# KiCad board HandheldPIC32.kicad_pcb (continued)
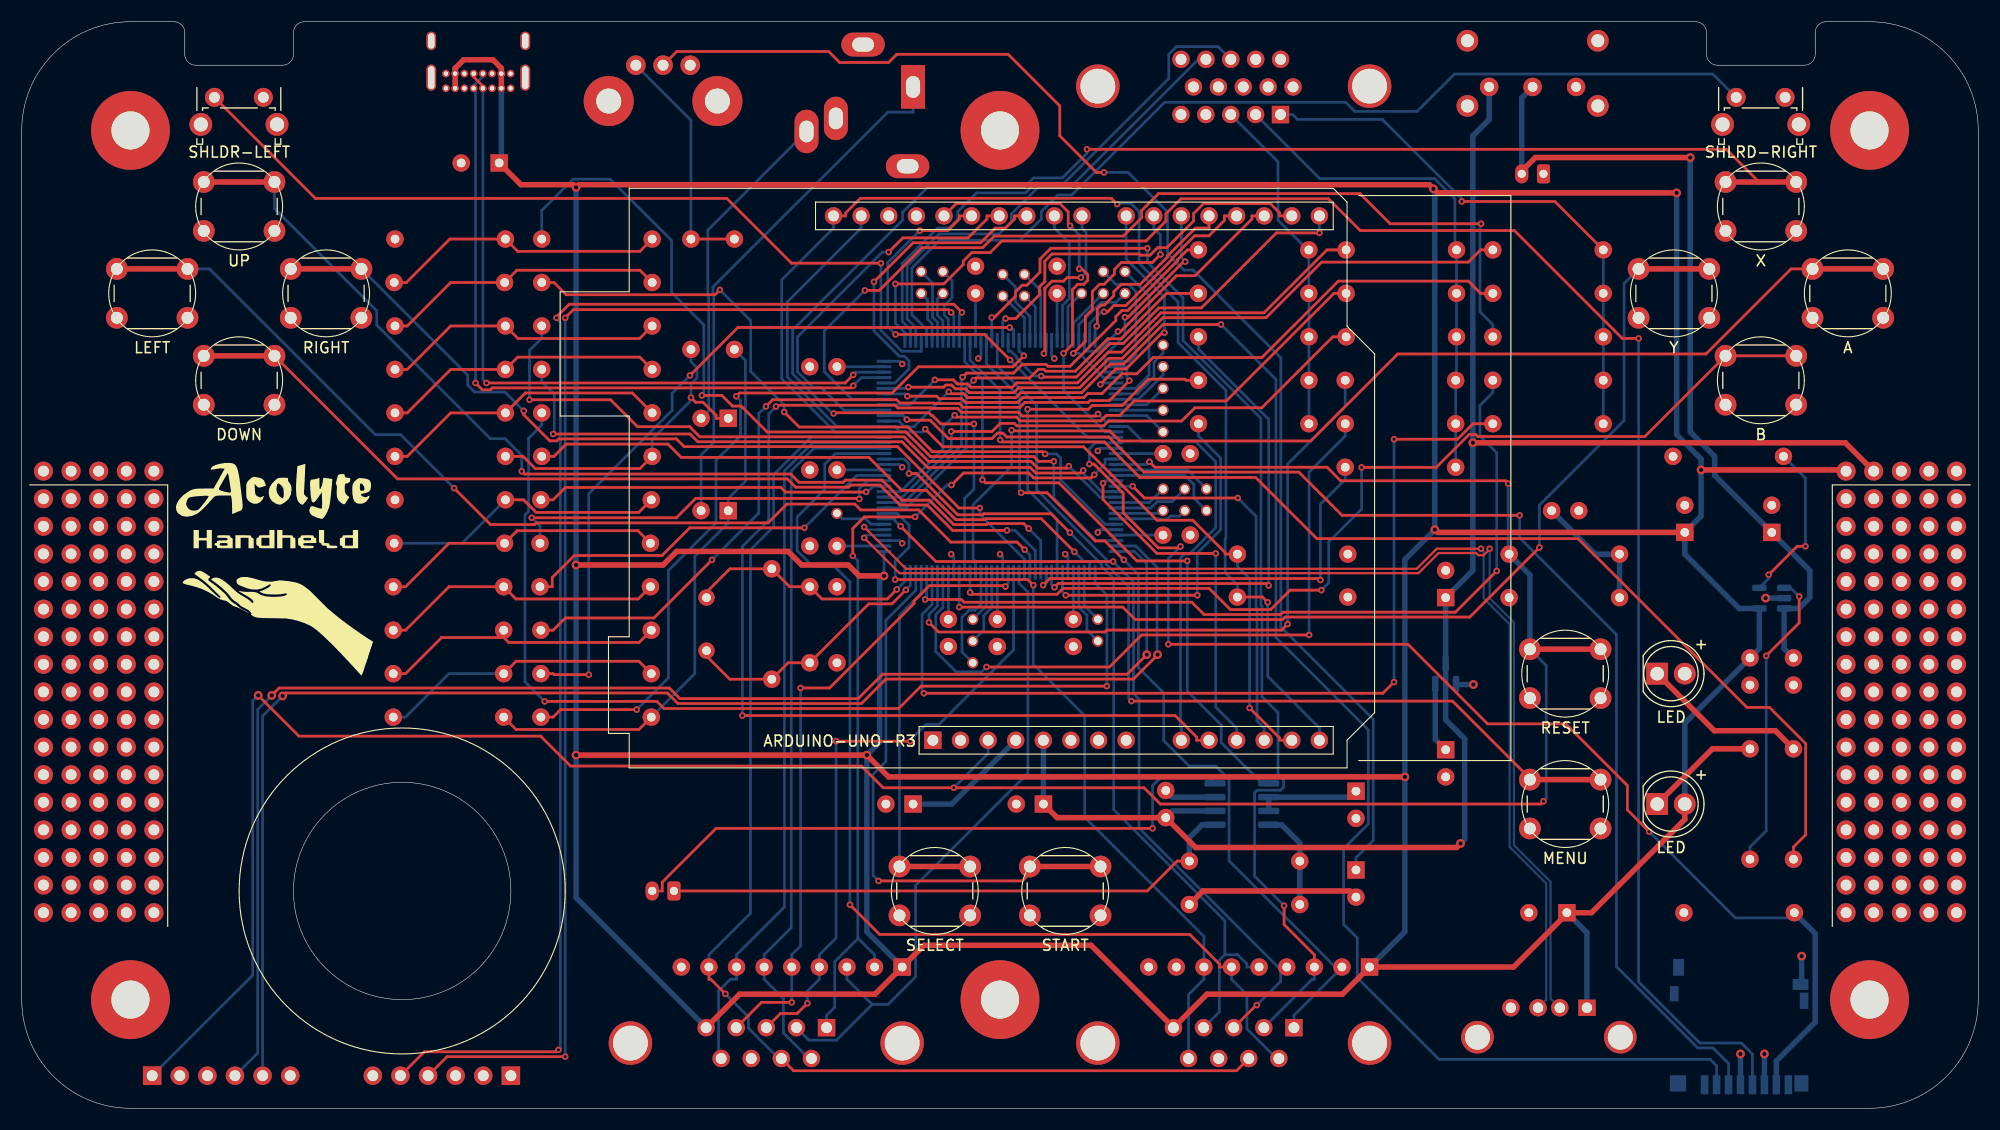
[diagram p0: board, top side]
## Placement (name value [footprint] x y rotation side) (continued)
TP203  TestPoint  [TestPointStdTHT]  2 23.08 0 top
TP204  TestPoint  [TestPointStdTHT]  12.16 20.54 0 top
TP205  TestPoint  [TestPointStdTHT]  9.62 20.54 0 top
TP206  TestPoint  [TestPointStdTHT]  7.08 20.54 0 top
TP207  TestPoint  [TestPointStdTHT]  4.54 20.54 0 top
TP208  TestPoint  [TestPointStdTHT]  2 20.54 0 top
TP209  TestPoint  [TestPointStdTHT]  12.16 18 0 top
TP210  TestPoint  [TestPointStdTHT]  9.62 18 0 top
U1  PIC32MZ2048EFH144-I/PL  [LQFP144_PL_MCH]  90 60 180 bottom
U2  LM4861MX  [SOIC-8_3.9x4.9mm_P1.27mm]  112.25 28 180 bottom
U3  MCP73831-2-OT  [SOT-23-5]  161 46.95 180 bottom
U4  MCP1700x-330xxTT  [SOT-23]  131 40 90 bottom
Y1  Crystal  [Crystal_HC49-4H_Vertical]  63 42.12 90 bottom

## Library data of the parts
A1 = -: Description: Arduino UNO Microcontroller Module, release 3
BT1 = -: Description: Single-cell battery
C1 C18 C19 C23 = -: Description: Polarized capacitor, small US symbol; Field4: 1uF; Field5: A
C2 C3 = -: Description: Unpolarized capacitor; Field4: 22-30pF
C4-C6 C20 C33 = -: Description: Unpolarized capacitor, small symbol; Field4: 0.1uF
C7-C15 = -: Description: Unpolarized capacitor, small symbol
C16 C17 = -: Description: Polarized capacitor, small US symbol; Field4: 120uF; Field5: A
C21 C27 = -: Description: Polarized capacitor, small US symbol; Field4: 10uF; Field5: A
C22 C24 = -: Description: Polarized capacitor, small US symbol; Field4: 47uF; Field5: A
C25 C26 = -: Description: Polarized capacitor, small US symbol; Field4: 4.7uF; Field5: A
D1 D3 = -: Description: Light emitting diode
J1 = -: Description: 15-pin female receptacle socket D-SUB connector, High density (3 columns), Triple Row, Generic, VGA-connector; Field4: VGA DE15
J2 = -: Description: Generic connector, single row, 01x06, script generated (kicad-library-utils/schlib/autogen/connector/); Field4: ICSP for PIC; Field5: (use 'picocom')
J3 = -: Description: Generic connector, single row, 01x06, script generated (kicad-library-utils/schlib/autogen/connector/); Field4: FT232RL; Field5: (use 'picocom')
J4 = -: Description: Audio Jack, 3 Poles (Stereo / TRS); Field4: 3.5mm Jack
J6 = -: Description: USB Type A connector; Field4: USB-A
J8 = -: Description: 9-pin male plug pin D-SUB connector; Field4: Joystick A - DE9
J9 = -: Description: 9-pin male plug pin D-SUB connector; Field4: Joystick B - DE9
J10 = -: Description: USB Full-Featured Type-C Receptacle connector; Field4: PCB Edge
J11 = -: Description: Micro SD Card Socket; Field4: KEEPOUT; Field5: KEEPOUT
R1-R8 R10-R18 = -: Description: Resistor, US symbol; Field4: 1K
R9 = -: Description: Resistor, US symbol; Field4: 1M ohms
R19 R24 R27 R29 R34 R40 R42 R44 R46 R48 R53 = -: Description: Resistor, US symbol; Field4: 10K
R20 = -: Description: Resistor, US symbol; Field4: 2K
R21 R22 = -: Description: Resistor, US symbol; Field4: 10k
R23 R26 R28 R30-R33 R37 R39 R41 R43 R45 R47 R49 = -: Description: Resistor, US symbol; Field4: 20K
R25 = -: Description: Resistor, US symbol; Field4: >100 ohms
R35 R38 = -: Description: Resistor, US symbol; Field4: ~1K
R36 = -: Description: Resistor, US symbol; Field4: >220 ohms
R50 R51 = -: Description: Resistor, US symbol; Field4: ~10K
R54 = -: Description: Resistor, US symbol; Field4: >=10K
RN1 RN2 = -: Description: 8 resistor network, star topology, bussed resistors, small US symbol; Field4: 10k ohms
RV1 = -: Description: Potentiometer, US symbol; Field4: ~10K
SW1-SW3 SW5-SW12 SW14-SW16 = -: Description: Push button switch, generic, two pins; Field4: Tactile RA; Field5: SPST Push
SW4 = -: Description: Switch, single pole double throw
TP1-TP112 TP117-TP210 = -: Description: test point
U1 = -: Field4: *; Field5: *; Field6: *; Field8: *
U3 = -: Description: Single cell, Li-Ion/Li-Po charge management controller, 4.20V, Tri-State Status Output, in SOT23-5 package
U4 = -: Description: 250mA Low Quiscent Current LDO, 3.3V output, SOT-23
Y1 = -: Description: Two pin crystal; Field4: 24 MHz

## Footprints (pads in the part's own frame, mm; a bottom-side part is the same pattern mirrored in y, then rotated)
Arduino_UNO_R3-modified
  rect 1.6x1.6 hole 1: 1(0,0)
  oval 1.6x1.6 hole 1: 2(2.54,0) 3(5.08,0) 4(7.62,0) 5(10.16,0) 6(12.7,0) 7(15.24,0) 8(17.78,0) 9(22.86,0) 10(25.4,0) 11(27.94,0) 12(30.48,0) 13(33.02,0) 14(35.56,0) 15(35.56,48.26) 16(33.02,48.26) 17(30.48,48.26) 18(27.94,48.26) 19(25.4,48.26) 20(22.86,48.26) 21(20.32,48.26) 22(17.78,48.26) 23(13.72,48.26) 24(11.18,48.26) 25(8.64,48.26) 26(6.1,48.26) 27(3.56,48.26) 28(1.02,48.26) 29(-1.52,48.26) 30(-4.06,48.26) 31(-6.6,48.26) 32(-9.14,48.26)
BIGJack_3.5mm_Ledino_KB3SPRS_Horizontal
  oval 4x2.2 hole 2x1.3: R(4.1,9.8) RN(2.9,7.1)
  oval 2.2x4 hole 1.3x2: S(-3.9,4.6) TN(7.3,0.5)
  rect 4x2.2 hole 2x1.3: T(0,0)
C_Disc_D3.0mm_W1.6mm_P2.50mm
  round 1.6 hole 0.8: 1(0,0) 2(2.5,0)
C_Disc_D3.8mm_W2.6mm_P2.50mm
  round 1.6 hole 0.8: 1(0,0) 2(2.5,0)
CP_Radial_D6.3mm_P2.50mm
  rect 1.6x1.6 hole 0.8: 1(0,0)
  round 1.6 hole 0.8: 2(2.5,0)
CP_Radial_D8.0mm_P3.50mm
  rect 1.6x1.6 hole 0.8: 1(0,0)
  round 1.6 hole 0.8: 2(3.5,0)
Crystal_HC49-4H_Vertical
  round 1.5 hole 0.8: 1(0,0) 2(4.88,0)
CustomLED
  rect 2x2 hole 1.25: 1(0,0)
  round 2 hole 1.25: 2(2.54,0)
DSUB-9_Male_Horizontal_P2.77x2.84mm_EdgePinOffset7.70mm_Housed_MountingHolesOffset9.12mm
  round 4 hole 3.2: 0(-6.96,-1.42) 0(18.04,-1.42)
  rect 1.6x1.6 hole 1: 1(0,0)
  round 1.6 hole 1: 2(2.77,0) 3(5.54,0) 4(8.31,0) 5(11.08,0) 6(1.385,-2.84) 7(4.155,-2.84) 8(6.925,-2.84) 9(9.695,-2.84)
DSUB-15-HD_Female_Horizontal_P2.29x2.54mm_VGA
  round 4 hole 3.2: 0(-16.815,-2.612) 0(8.185,-2.612)
  rect 1.6x1.6 hole 1: 1(-0.009,-0.002)
  round 1.6 hole 1: 2(-2.299,-0.002) 3(-4.589,-0.002) 4(-6.879,-0.002) 5(-9.169,-0.002) 6(1.143,-2.542) 7(-1.145,-2.542) 8(-3.435,-2.542) 9(-5.725,-2.542) 10(-8.015,-2.542) 11(0,-5.08) 12(-2.29,-5.08) 13(-4.58,-5.08) 14(-6.87,-5.08) 15(-9.16,-5.08)
JST_PH_B2B-PH-K_1x02_P2.00mm_Vertical
  rrect 1.2x1.75 hole 0.75: 1(0,0)
  oval 1.2x1.75 hole 0.75: 2(2,0)
LQFP144_PL_MCH
  rect 1.353x0.279 smd: 1(-10.672,8.75) 2(-10.672,8.25) 3(-10.672,7.75) 4(-10.672,7.25) 5(-10.672,6.75) 6(-10.672,6.25) 7(-10.672,5.75) 8(-10.672,5.25) 9(-10.672,4.75) 10(-10.672,4.25) 11(-10.672,3.75) 12(-10.672,3.25) 13(-10.672,2.75) 14(-10.672,2.25) 15(-10.672,1.75) 16(-10.672,1.25) 17(-10.672,0.75) 18(-10.672,0.25) 19(-10.672,-0.25) 20(-10.672,-0.75) 21(-10.672,-1.25) 22(-10.672,-1.75) 23(-10.672,-2.25) 24(-10.672,-2.75) 25(-10.672,-3.25) 26(-10.672,-3.75) 27(-10.672,-4.25) 28(-10.672,-4.75) 29(-10.672,-5.25) 30(-10.672,-5.75) 31(-10.672,-6.25) 32(-10.672,-6.75) 33(-10.672,-7.25) 34(-10.672,-7.75) 35(-10.672,-8.25) 36(-10.672,-8.75) 73(10.672,-8.75) 74(10.672,-8.25) 75(10.672,-7.75) 76(10.672,-7.25) 77(10.672,-6.75) 78(10.672,-6.25) 79(10.672,-5.75) 80(10.672,-5.25) 81(10.672,-4.75) 82(10.672,-4.25) 83(10.672,-3.75) 84(10.672,-3.25) 85(10.672,-2.75) 86(10.672,-2.25) 87(10.672,-1.75) 88(10.672,-1.25) 89(10.672,-0.75) 90(10.672,-0.25) 91(10.672,0.25) 92(10.672,0.75) 93(10.672,1.25) 94(10.672,1.75) 95(10.672,2.25) 96(10.672,2.75) 97(10.672,3.25) 98(10.672,3.75) 99(10.672,4.25) 100(10.672,4.75) 101(10.672,5.25) 102(10.672,5.75) 103(10.672,6.25) 104(10.672,6.75) 105(10.672,7.25) 106(10.672,7.75) 107(10.672,8.25) 108(10.672,8.75)
  rect 0.279x1.353 smd: 37(-8.75,-10.672) 38(-8.25,-10.672) 39(-7.75,-10.672) 40(-7.25,-10.672) 41(-6.75,-10.672) 42(-6.25,-10.672) 43(-5.75,-10.672) 44(-5.25,-10.672) 45(-4.75,-10.672) 46(-4.25,-10.672) 47(-3.75,-10.672) 48(-3.25,-10.672) 49(-2.75,-10.672) 50(-2.25,-10.672) 51(-1.75,-10.672) 52(-1.25,-10.672) 53(-0.75,-10.672) 54(-0.25,-10.672) 55(0.25,-10.672) 56(0.75,-10.672) 57(1.25,-10.672) 58(1.75,-10.672) 59(2.25,-10.672) 60(2.75,-10.672) 61(3.25,-10.672) 62(3.75,-10.672) 63(4.25,-10.672) 64(4.75,-10.672) 65(5.25,-10.672) 66(5.75,-10.672) 67(6.25,-10.672) 68(6.75,-10.672) 69(7.25,-10.672) 70(7.75,-10.672) 71(8.25,-10.672) 72(8.75,-10.672) 109(8.75,10.672) 110(8.25,10.672) 111(7.75,10.672) 112(7.25,10.672) 113(6.75,10.672) 114(6.25,10.672) 115(5.75,10.672) 116(5.25,10.672) 117(4.75,10.672) 118(4.25,10.672) 119(3.75,10.672) 120(3.25,10.672) 121(2.75,10.672) 122(2.25,10.672) 123(1.75,10.672) 124(1.25,10.672) 125(0.75,10.672) 126(0.25,10.672) 127(-0.25,10.672) 128(-0.75,10.672) 129(-1.25,10.672) 130(-1.75,10.672) 131(-2.25,10.672) 132(-2.75,10.672) 133(-3.25,10.672) 134(-3.75,10.672) 135(-4.25,10.672) 136(-4.75,10.672) 137(-5.25,10.672) 138(-5.75,10.672) 139(-6.25,10.672) 140(-6.75,10.672) 141(-7.25,10.672) 142(-7.75,10.672) 143(-8.25,10.672) 144(-8.75,10.672)
microSD_HC_Hirose_DM3D-SF
  rect 0.7x1.75 smd: 1(3.175,-5.35) 2(2.075,-5.35) 3(0.975,-5.35) 4(-0.125,-5.35) 5(-1.225,-5.35) 6(-2.325,-5.35) 7(-3.425,-5.35) 8(-4.525,-5.35)
  rect 1.45x1 smd: 9(-5.65,3.875)
  rect 1x1.55 smd: 10(5.575,5.45)
  rect 0.8x1.5 smd: 11(-5.975,2.375)
  rect 1.3x1.5 smd: 11(-5.725,-5.225)
  rect 1.5x1.5 smd: 11(5.625,-5.225)
  rect 0.8x1.4 smd: 11(5.975,3.025)
PinHeader_1x06_P2.54mm_Horizontal
  rect 1.7x1.7 hole 1: 1(0,0)
  oval 1.7x1.7 hole 1: 2(0,-2.54) 3(0,-5.08) 4(0,-7.62) 5(0,-10.16) 6(0,-12.7)
PinSocket_1x06_P2.54mm_Horizontal
  rect 1.7x1.7 hole 1: 1(0,0)
  oval 1.7x1.7 hole 1: 2(0,-2.54) 3(0,-5.08) 4(0,-7.62) 5(0,-10.16) 6(0,-12.7)
Potentiometer_Bourns_PTV09A-2_Single_Horizontal
  round 4.6 hole 2.3: (-3.3,-2.5) (-3.3,7.5)
  round 1.8 hole 1: 1(0,0) 2(0,2.5) 3(0,5)
R_Array_SIP9
  rect 1.6x1.6 hole 0.8: 1(0,0)
  oval 1.6x1.6 hole 0.8: 2(2.54,0) 3(5.08,0) 4(7.62,0) 5(10.16,0) 6(12.7,0) 7(15.24,0) 8(17.78,0) 9(20.32,0)
R_Axial_DIN0207_L6.3mm_D2.5mm_P10.16mm_Horizontal
  round 1.6 hole 0.8: 1(0,0)
  oval 1.6x1.6 hole 0.8: 2(10.16,0)
ScrewHole-4-40
  round 7.25 hole 3.5: 1(0,0)
SOIC-8_3.9x4.9mm_P1.27mm
  rrect 1.95x0.6 smd: 1(-2.475,1.905) 2(-2.475,0.635) 3(-2.475,-0.635) 4(-2.475,-1.905) 5(2.475,-1.905) 6(2.475,-0.635) 7(2.475,0.635) 8(2.475,1.905)
SOT-23
  rrect 1.475x0.6 smd: 1(-0.938,0.95) 2(-0.938,-0.95) 3(0.938,0)
SOT-23-5
  rrect 1.325x0.6 smd: 1(-1.137,0.95) 2(-1.137,0) 3(-1.137,-0.95) 4(1.137,-0.95) 5(1.137,0.95)
SW_E-Switch_EG1224_SPDT_Angled
  round 2 hole 1.2: (-2,-4.25) (-2,1.75) (10,-4.25) (10,1.75)
  round 1.7 hole 0.9: 1(0,0) 2(4,0) 3(8,0)
SW_PUSH_6mm_H8mm
  round 2 hole 1.1: 1(0,0) 1(6.5,0) 2(0,-4.5) 2(6.5,-4.5)
SW_Tactile_SPST_Angled_PTS645Vx83-2LFS
  round 2.1 hole 1.3: (-1.25,-2.49) (5.76,-2.49)
  round 1.75 hole 0.99: 1(0,0) 2(4.5,0)
TestPoint_custom_THTPad_D1.5mm_Drill0.7mm
  round 1.016 hole 0.7: 1(0,0)
TestPointStdTHT
  round 1.75 hole 1: 1(0,0)
USB_A_Molex_67643_Horizontal
  rect 1.6x1.5 hole 0.95: 1(0,0)
  round 1.6 hole 0.95: 2(2.5,0) 3(4.5,0) 4(7,0)
  round 3 hole 2.3: 5(-3.07,-2.71) 5(10.07,-2.71)
USB_C_Receptacle_GCT_USB4085
  round 0.7 hole 0.4: A1(0,0) A4(0.85,0) A5(1.7,0) A6(2.55,0) A7(3.4,0) A8(4.25,0) A9(5.1,0) A12(5.95,0) B1(5.95,-1.35) B4(5.1,-1.35) B5(4.25,-1.35) B6(3.4,-1.35) B7(2.55,-1.35) B8(1.7,-1.35) B9(0.85,-1.35) B12(0,-1.35)
  oval 0.9x1.7 hole 0.6x1.4: S1(-1.35,-4.36) S1(7.3,-4.36)
  oval 0.9x2.4 hole 0.6x2.1: S1(-1.35,-0.98) S1(7.3,-0.98)

## Nets
+3V3: A1.4 C6.2 C7.2 C8.2 C9.2 C10.2 C11.2 C12.2 C13.2 C14.2 C15.2 C22.1 C23.1 D1.2 J2.2 J11.4 R21.2 R22.2 R35.1 R38.1 TP10.1 TP119.1 U1.18 U1.33 U1.41 U1.55 U1.64 U1.74 U1.88 U1.107 U1.122 U1.137 U4.2
+3V8: A1.5 C1.1 C24.1 C33.1 SW4.1 TP9.1 U2.6 U4.3
+5V: C16.1 C17.1 C20.1 C26.1 D3.2 J6.1 J8.5 J9.5 J10.A4 J10.A9 J10.B4 J10.B9 RN1.1 RN2.1 TP8.1 U1.73 U3.4
GND: A1.6 A1.7 A1.29 BT1.1 C1.2 C2.2 C3.2 C4.2 C5.1 C6.1 C7.1 C8.1 C9.1 C10.1 C11.1 C12.1 C13.1 C14.1 C15.1 C16.2 C17.2 C18.2 C20.2 C22.2 C23.2 C24.2 C25.2 C26.2 C33.2 J1.5 J1.6 J1.7 J1.8 J1.10 J2.3 J3.1 J4.S J6.4 J6.5 J8.8 J9.8 J10.A1 J10.A12 J10.B1 J10.B12 J10.S1 J11.6 J11.9 R20.2 R30.2 R33.2 RV1.3 SW1.2 SW2.2 SW3.2 SW5.2 SW6.2 SW7.2 SW8.2 SW9.2 SW10.2 SW11.2 SW12.2 SW14.2 SW15.2 SW16.2 TP1.1 TP2.1 TP3.1 TP4.1 TP6.1 TP7.1 TP11.1 TP12.1 TP120.1 TP121.1 U1.17 U1.32 U1.42 U1.54 U1.63 U1.75 U1.89 U1.108 U1.123 U1.136 U2.7 U3.2 U4.1
AUDIO-LEFT-A: R37.2 U1.130
AUDIO-LEFT-B: R23.2 U1.129
AUDIO-LEFT-C: R26.2 U1.2
AUDIO-LEFT-D: R28.2 U1.87
AUDIO-LEFT-DAC: C21.1 R34.1 R37.1 R50.1
AUDIO-LEFT-E: R31.2 U1.86
AUDIO-LEFT-F: R32.2 U1.85
AUDIO-LEFT-PHONE: C21.2 J4.T
AUDIO-POT: C19.1 RV1.2
AUDIO-RIGHT-A: R49.2 U1.38
AUDIO-RIGHT-B: R47.2 U1.37
AUDIO-RIGHT-C: R45.2 U1.25
AUDIO-RIGHT-D: R43.2 U1.26
AUDIO-RIGHT-DAC: C27.1 R48.1 R49.1 R51.2
AUDIO-RIGHT-E: R41.2 U1.31
AUDIO-RIGHT-F: R39.2 U1.34
AUDIO-RIGHT-PHONE: C27.2 J4.R
AUDIO-SD: U1.120 U2.1
AUDIO-SPEAKER+: LS1.1 R54.2 U2.5
AUDIO-SPEAKER-: LS1.2 U2.8
BAT: BT1.2 C4.1 C25.1 SW4.2 U3.3
BLUE: J1.3 R1.1 R2.1 R10.1 R11.1 R12.1
BLUE-A: R2.2 U1.82
BLUE-B: R1.2 U1.81
BLUE-C: R12.2 U1.45
BLUE-D: R11.2 U1.44
BLUE-E: R10.2 U1.43
BUTTON-A: SW8.1 U1.59
BUTTON-B: SW9.1 U1.60
BUTTON-DOWN: SW5.1 U1.48
BUTTON-LEFT: SW6.1 U1.49
BUTTON-RIGHT: SW7.1 U1.50
BUTTON-SELECT: SW2.1 U1.69
BUTTON-SHOULDER-LEFT: SW14.1 U1.112
BUTTON-SHOULDER-RIGHT: SW16.1 U1.113
BUTTON-START: SW1.1 U1.70
BUTTON-UP: SW3.1 U1.47
BUTTON-X: SW10.1 U1.61
BUTTON-Y: SW11.1 U1.62
CLKI: C2.1 R9.1 U1.71 Y1.1
CLKO: C3.1 R9.2 U1.72 Y1.2
D+: J6.3 U1.77
D-: J6.2 U1.76
FT232RL-RX: J3.4 U1.118
FT232RL-TX: J3.5 U1.119
GREEN: J1.2 R3.1 R4.1 R5.1 R13.1 R14.1 R15.1
GREEN-A: R5.2 U1.100
GREEN-B: R4.2 U1.84
GREEN-C: R3.2 U1.83
GREEN-D: R15.2 U1.66
GREEN-E: R14.2 U1.65
GREEN-F: R13.2 U1.46
H-SYNC: J1.13 U1.110
I2C-SCL: A1.14 A1.32 R35.2 U1.95
I2C-SDA: A1.13 A1.31 R38.2 U1.96
JOY-A-BUTTON1: J8.6 RN1.6 U1.92
JOY-A-BUTTON2: J8.9 RN1.7 U1.93
JOY-A-DOWN: J8.2 RN1.3 U1.51
JOY-A-LEFT: J8.3 RN1.4 U1.52
JOY-A-RIGHT: J8.4 RN1.5 U1.53
JOY-A-UP: J8.1 RN1.2 U1.19
JOY-B-BUTTON1: J9.6 RN2.6 U1.91
JOY-B-BUTTON2: J9.9 RN2.7 U1.80
JOY-B-DOWN: J9.2 RN2.3 U1.125
JOY-B-LEFT: J9.3 RN2.4 U1.79
JOY-B-RIGHT: J9.4 RN2.5 U1.90
JOY-B-UP: J9.1 RN2.2 U1.124
JOY-SELECT: J8.7 J9.7 RN1.8 U1.94
LCD-CS: A1.12 U1.24
LCD-D0: A1.23 U1.135
LCD-D1: A1.24 U1.138
LCD-D2: A1.17 U1.142
LCD-D3: A1.18 U1.143
LCD-D4: A1.19 U1.144
LCD-D5: A1.20 U1.3
LCD-D6: A1.21 U1.4
LCD-D7: A1.22 U1.5
LCD-RD: A1.9 U1.13
LCD-RS: A1.11 U1.23
LCD-WR: A1.10 U1.12
LED: R25.2 U1.121
MCLR: A1.3 J2.1 R18.2 SW15.1 U1.20
MENU: SW12.1 U1.126
PGEC: J2.5 U1.35
PGED: J2.4 U1.36
PORTA0: TP14.1 U1.22
PORTA1: TP13.1 U1.56
PORTA9: TP15.1 U1.39
PORTA10: TP16.1 U1.40
PORTC1: TP17.1 U1.6
PORTC2: TP88.1 U1.11
PORTF12: TP90.1 U1.58
PORTF13: TP91.1 U1.57
PORTG9: TP108.1 U1.21
PORTG12: TP109.1 U1.140
PORTG13: TP110.1 U1.141
PORTG14: TP111.1 U1.139
PORTG15: TP112.1 U1.1
PORTJ0: TP92.1 U1.114
PORTJ1: TP93.1 U1.115
PORTJ2: TP94.1 U1.116
PORTJ3: TP95.1 U1.117
PORTJ4: TP96.1 U1.131
PORTJ5: TP97.1 U1.132
PORTJ6: TP98.1 U1.133
PORTJ7: TP99.1 U1.134
PORTJ8: TP100.1 U1.7
PORTJ9: TP101.1 U1.8
PORTJ10: TP102.1 U1.10
PORTJ11: TP103.1 U1.27
PORTJ12: TP104.1 U1.9
PORTJ13: TP105.1 U1.28
PORTJ14: TP106.1 U1.29
PORTJ15: TP107.1 U1.30
RED: J1.1 R6.1 R7.1 R8.1 R16.1 R17.1
RED-A: R8.2 U1.103
RED-B: R7.2 U1.102
RED-C: R6.2 U1.101
RED-D: R17.2 U1.68
RED-E: R16.2 U1.67
SPI-CLK: A1.28 U1.14
SPI-MISO: A1.27 U1.15
SPI-MOSI: A1.26 U1.99
SPI-SS: A1.25 U1.104
STAT: R36.2 U3.1
TF-CLK: J11.5 U1.109
TF-CS: J11.2 U1.97
TF-MISO: J11.7 R22.1 U1.16
TF-MOSI: J11.3 U1.98
UART-RX: A1.15 U1.128
UART-TX: A1.16 U1.127
USB-RX: J10.A7 J10.B7 U1.106
USB-TX: J10.A6 J10.B6 U1.105
USBID: TP89.1 U1.78
V-SYNC: J1.14 U1.111
Net-(C5-Pad2): C5.2 R18.1 R21.1
Net-(C19-Pad2): C19.2 R53.1
Net-(D1-K): D1.1 R25.1
Net-(D3-K): D3.1 R36.1
Net-(R19-Pad1): R19.1 R24.2 R31.1
Net-(R19-Pad2): R19.2 R32.1 R33.1
Net-(R23-Pad1): R23.1 R29.1 R34.2
Net-(R24-Pad1): R24.1 R27.2 R28.1
Net-(R26-Pad1): R26.1 R27.1 R29.2
Net-(R30-Pad1): R30.1 R39.1 R40.2
Net-(R40-Pad1): R40.1 R41.1 R42.2
Net-(R42-Pad1): R42.1 R43.1 R44.2
Net-(R44-Pad1): R44.1 R45.1 R46.2
Net-(R46-Pad1): R46.1 R47.1 R48.2
Net-(R50-Pad2): R50.2 R51.1 RV1.1
Net-(U2-+IN): C18.1 U2.2 U2.3
Net-(U2--IN): R53.2 R54.1 U2.4
Net-(U3-PROG): R20.1 U3.5

Pads without a net: A1 1 2 8 30; J1 0 4 9 11 12 15; J2 6; J3 2 3 6; J4 RN TN; J8 0; J9 0; J10 A5 A8 B5 B8; J11 1 8 10 11; RN1 9; RN2 8 9; SW4 3; TP5 1; TP18 1; TP19 1; TP20 1; TP21 1; TP22 1; TP23 1; TP24 1; TP25 1; TP26 1; TP27 1; TP28 1; TP29 1; TP30 1; TP31 1; TP32 1; TP33 1; TP34 1; TP35 1; TP36 1; TP37 1; TP38 1; TP39 1; TP40 1; TP41 1; TP42 1; TP43 1; TP44 1; TP45 1; TP46 1; TP47 1; TP48 1; TP49 1; TP50 1; TP51 1; TP52 1; TP53 1; TP54 1; TP55 1; TP56 1; TP57 1; TP58 1; TP59 1; TP60 1; TP61 1; TP62 1; TP63 1; TP64 1; TP65 1; TP66 1; TP67 1; TP68 1; TP69 1; TP70 1; TP71 1; TP72 1; TP73 1; TP74 1; TP75 1; TP76 1; TP77 1; TP78 1; TP79 1; TP80 1; TP81 1; TP82 1; TP83 1; TP84 1; TP85 1; TP86 1; TP87 1; TP117 1; TP118 1; TP122 1; TP123 1; TP124 1; TP125 1; TP126 1; TP127 1; TP128 1; TP129 1; TP130 1; TP131 1; TP132 1; TP133 1; TP134 1; TP135 1; TP136 1; TP137 1; TP138 1; TP139 1; TP140 1; TP141 1; TP142 1; TP143 1; TP144 1; TP145 1; TP146 1; TP147 1; TP148 1; TP149 1; TP150 1; TP151 1; TP152 1; TP153 1; TP154 1; TP155 1; TP156 1; TP157 1; TP158 1; TP159 1; TP160 1; TP161 1; TP162 1; TP163 1; TP164 1; TP165 1; TP166 1; TP167 1; TP168 1; TP169 1; TP170 1; TP171 1; TP172 1; TP173 1; TP174 1; TP175 1; TP176 1; TP177 1; TP178 1; TP179 1; TP180 1; TP181 1; TP182 1; TP183 1; TP184 1; TP185 1; TP186 1; TP187 1; TP188 1; TP189 1; TP190 1; TP191 1; TP192 1; TP193 1; TP194 1; TP195 1; TP196 1; TP197 1; TP198 1; TP199 1; TP200 1; TP201 1; TP202 1; TP203 1; TP204 1; TP205 1; TP206 1; TP207 1; TP208 1; TP209 1; TP210 1

## Via types
v1: diameter 0.6, hole 0.3, Top to Bottom, 177 vias
v2: diameter 0.8, hole 0.4, Top to Bottom, 23 vias

## Routing (per net, layer and track width the routed paths; a pad name or vN(x,y) marks a point on that pad's centre or on a via; arc(x,y) is an arc through that point)
+3V3: length 64.5
  Bottom w0.25: U1.122 C7.2 ; U1.137 C6.2 ; U1.74 C10.2 ; U1.64 C11.2 ; U1.33 C14.2 ; U1.41 C13.2 ; U1.55 C12.2 ; U1.18 C15.2 ; U1.88 C9.2 ; U1.107 C8.2
  Bottom w0.5: v2(158.12,5) J11.4 ; U4.2 130.05,33.95 C23.1 ; C22.1 85.57,28 A1.4
+3V8: length 161
  Top w0.5: C24.1 95.25,26.75 C33.1 108,24 132,24 v2(132.38,24.38) ; TP9.1 167.77,61.25 v2(133.5,61.25)
  Bottom w0.5: C24.1 94,33.86 A1.5 ; SW4.1 135,91 133.5,89.5 v2(133.5,61.25) 133.5,49.5 C1.1 U4.3 131,35.75 132.75,34 132.75,24.75 v2(132.38,24.38) ; C33.1 105.87,27.36 U2.6
+5V: length 646.9
  Top w0.5: C26.1 130.25,53 v2(130,53.25) ; v2(79.33,49) 77.04,49 76.04,50 71.75,50 70.5,51.25 60.25,51.25 59,50 v2(51,50) ; C16.1 45.93,85 50.75,85 v2(51,84.75) 51.25,85 129.5,85 v2(129.88,84.62) 130.25,84.25 v2(152.25,84.25) ; v2(51,32.5) v2(77.75,32.5) 79.75,30.5 v2(127.25,30.5) ; J8.5 66.04,10.5 78.5,10.5 RN1.1 83,15 98.38,15 J9.5 109.04,10.5 121.5,10.5 RN2.1 137.25,13 142.15,17.9 C17.1 144.41,18 153,26.59 D3.2 ; J10.A9 J10.B4 44.12,95.72 43.34,96.5 40.66,96.5 39.88,95.72 J10.B9 J10.A4 ; v2(154.5,58.75) 167.73,58.75 TP8.1
  Bottom w0.25: 159.86,44.16 U3.4 ; v2(79.33,49) U1.73
  Bottom w0.5: J10.A9 44.12,87.2 C16.1 ; RN1.1 77.75,16.25 v2(77.75,32.5) 78.93,33.67 78.93,48.6 v2(79.33,49) ; RN2.1 127.25,16.25 v2(127.25,30.5) 127.25,50.5 v2(130,53.25) 130,84.5 v2(129.88,84.62) ; D3.2 153,35.45 C20.1 159.86,42.31 U3.4 158,46 153,51 C26.1 154.5,54.5 v2(154.5,58.75) 154.5,59.75 152.25,62 v2(152.25,84.25) ; J8.5 51,19.38 v2(51,32.5) v2(51,50) v2(51,84.75) ; C17.1 144,16.15 J6.1
GND: length 31.4
  Bottom w0.25: U1.75 80.75,52.25 v1(81,52) ; v1(85.5,51) 85.75,50.75 U1.63 ; U1.136 94.75,69.25 v1(95,69) ; v1(88,69) 88.25,69.25 U1.123 ; U1.108 80.75,68.75 v1(81,68.5) ; U1.32 99.25,53.25 v1(99,53) ; 132.01,39 U4.1 ; v1(96,51) 96.25,50.75 U1.42 ; v1(99,60.5) 99.25,60.75 U1.17 ; U1.54 90.25,50.75 v1(90,51) ; v1(81,59) 80.75,59.25 U1.89
  Bottom w0.5: C33.2 105.87,28.64 U2.7 ; v2(160.32,5) J11.6 ; v2(160.44,46.95) U3.2 ; v2(133.55,39) 133.54,39 132,39 ; J11.9 163.75,11.49 v2(163.75,14)
AUDIO-LEFT-A: length 71.7
  Top w0.25: v1(56.57,36.69) 49.57,36.69 48.89,36 R37.2 ; v1(65.74,65.53) 66.04,65.83 80.08,65.83 82.49,68.24 91.19,68.24 v1(92.2,69.26)
  Bottom w0.25: v1(65.74,65.53) 66.13,65.15 66.13,61.89 63.87,59.64 63.87,53.87 59.5,49.5 59.5,39.61 v1(56.57,36.69) ; v1(92.2,69.26) 91.8,69.67 91.75,69.67 U1.130
AUDIO-LEFT-B: length 68.5
  Top w0.25: v1(61.48,67.45) 65.88,71.86 v1(90.88,71.86) ; v1(52.16,39.91) 48.98,39.91 48.89,40 R23.2
  Bottom w0.25: v1(90.88,71.86) 91.07,71.67 91.25,71.67 U1.129 ; v1(52.16,39.91) 52.16,56.56 59.84,64.24 59.84,65.81 v1(61.48,67.45)
AUDIO-LEFT-C: length 72
  Top w0.25: v1(63.5,50.47) 58.16,45.13 50.01,45.13 48.89,44 R26.2 ; v1(101.91,66.97) 100.07,65.13 98.3,65.13 98.13,64.96 92.28,64.96 91.83,64.51 86.62,64.51 86.27,64.86 83.95,64.86 83.9,64.91 80.79,64.91 80.49,65.21 69.08,65.21 v1(68.47,64.6)
  Bottom w0.25: v1(101.91,66.97) 101.67,67.2 101.67,68.25 U1.2 ; v1(68.47,64.6) 67.81,63.94 67.81,54.77 v1(63.5,50.47)
AUDIO-LEFT-D: length 36.4
  Top w0.25: v1(72,53.42) 61.46,53.42 58.91,50.87 50.84,50.87 48.81,48.84 48.81,48 R28.2
  Bottom w0.25: v1(72,53.42) 76.83,58.25 U1.87
AUDIO-LEFT-DAC: length 52.4
  Top w0.25: R34.1 45.48,34.86 56.78,34.86 R37.1
  Bottom w0.25: R50.1 66.58,68.83 66.58,57.7 65,56.13 C21.1 65,53.87 61.92,50.8 61.92,40 R37.1
AUDIO-LEFT-E: length 37.1
  Top w0.25: v1(46.92,54.35) 60.22,54.35 62,56.13 77.01,56.13 v1(77.05,56.08)
  Bottom w0.25: U1.86 77.78,57.75 77.05,57.02 v1(77.05,56.08) ; v1(46.92,54.35) 47.68,53.59 R31.2
AUDIO-LEFT-F: length 32.4
  Top w0.25: v1(77.68,56.73) 77.66,56.71 70.26,56.71 69.84,57.14 50.02,57.14 48.89,56 R32.2
  Bottom w0.25: v1(77.68,56.73) 77.8,56.73 78.33,57.25 U1.85
AUDIO-LEFT-PHONE: length 48.5
  Bottom w0.25: C21.2 62.5,60.13 63.67,61.29 63.67,74.86 63.59,74.94 63.59,75.59 79.67,91.67 82,91.67 J4.T
AUDIO-POT: length 124.8
  Top w0.25: RV1.2 60.26,97.26 74.24,97.26 75.25,96.25 79.75,96.25 80.5,97 90.75,97 95.5,92.25 95.5,89.5 98.86,86.14 v1(99.57,86.14)
  Bottom w0.25: v1(99.57,86.14) 101.78,86.14 105.41,82.5 105.41,78.65 106.92,77.15 107.76,77.15 115.84,69.07 115.84,44.3 124.34,35.8 124.34,24.64 122.75,23.06 C19.1
AUDIO-RIGHT-A: length 56.4
  Top w0.25: v1(96.84,51.21) 93.79,54.26 88.69,54.26 88.59,54.17 85.93,54.17 83.23,56.87 80.97,56.87 77.93,59.91 60.67,59.91 59.45,61.13 50.09,61.13 48.97,60 R49.2
  Bottom w0.25: U1.38 98.25,50.33 97.72,50.33 v1(96.84,51.21)
AUDIO-RIGHT-B: length 91.7
  Top w0.25: v1(99.83,38.85) 82.73,38.85 80.68,36.79 59.09,36.79 58.43,37.45 v1(48.11,37.45)
  Bottom w0.25: v1(99.83,38.85) 99.83,47.24 98.75,48.33 U1.37 ; v1(48.11,37.45) 46.3,39.26 46.3,54.6 46.63,54.93 46.63,61.66 47.84,62.87 R47.2
AUDIO-RIGHT-C: length 60.8
  Top w0.25: v1(97.65,58.7) 97.42,58.46 93.29,58.46 92.79,58.97 83.35,58.97 80.97,61.34 62.2,61.34 61.49,62.06 v1(48.9,62.06)
  Bottom w0.25: R45.2 47.84,66.87 49,65.72 49,62.16 v1(48.9,62.06) ; v1(97.65,58.7) 97.65,58.43 99.33,56.75 U1.25
AUDIO-RIGHT-D: length 65.1
  Top w0.25: v1(96.33,59.1) 96.14,58.91 93.48,58.91 92.86,59.53 83.42,59.53 81.16,61.79 62.38,61.79 61.45,62.73 56.65,62.73 54.17,65.21 v1(46.71,65.21)
  Bottom w0.25: v1(46.71,65.21) 46.71,69.75 47.84,70.87 R43.2 ; v1(96.33,59.1) 99.18,56.25 U1.26
AUDIO-RIGHT-DAC: length 30.6
  Top w0.25: R48.1 46.12,60 47.25,58.87 56.87,58.87 R49.1 ; v1(61.57,65.41) 61.99,64.98 62.68,64.98 63.87,63.78 63.87,63.5 C27.1
  Bottom w0.25: R49.1 58,61.58 61.57,65.15 v1(61.57,65.41) 61.57,66.66 62.12,67.21 62.12,68.16 61.57,68.71 R51.2
AUDIO-RIGHT-E: length 66.7
  Top w0.25: v1(70.14,64.08) 71.52,62.7 81.53,62.7 83.8,60.43 93.94,60.43 v1(94.15,60.22) ; R41.2 48.97,76 50.09,74.87 63.78,74.87 v1(64.23,75.32)
  Bottom w0.25: U1.31 99.67,53.75 95.57,57.85 95.57,59.83 95.19,60.22 v1(94.15,60.22) ; v1(70.14,64.08) 70.14,64.74 67.06,67.82 67.06,72.49 v1(64.23,75.32)
AUDIO-RIGHT-F: length 79.3
  Top w0.25: v1(62.57,65.61) 64.41,65.61 65.39,64.63 66.2,64.63 68.58,62.24 81.34,62.24 83.61,59.98 93.1,59.98 93.54,59.54 v1(94.95,59.54)
  Bottom w0.25: R39.2 47.84,82.64 50.7,85.5 54.15,85.5 59.78,79.87 59.78,75.07 62.75,72.1 62.75,65.79 v1(62.57,65.61) ; U1.34 98.85,52.25 94.95,56.16 v1(94.95,59.54)
AUDIO-RIGHT-PHONE: length 30.5
  Bottom w0.25: C27.2 63.2,64.2 63.2,74.66 63.12,74.74 63.12,80.82 J4.R
AUDIO-SD: length 59.4
  Top w0.25: v1(88.38,57.83) 88.65,57.56 95.41,57.56 102.6,50.38 v1(107.23,50.38)
  Bottom w0.25: v1(88.38,57.83) 88.38,67.09 86.75,68.72 U1.120 ; U2.1 114.1,29.91 110.35,33.66 110.35,35.28 107.23,38.4 v1(107.23,50.38)
AUDIO-SPEAKER+: length 53.6
  Top w0.25: R54.2 106.29,22.75 103.54,20 LS1.1
  Bottom w0.5: R54.2 107.42,24.92 108.59,26.09 U2.5
AUDIO-SPEAKER-: length 59.1
  Top w0.25: v1(104.04,25.76) 63.88,25.76 58.93,20.81 58.93,20 LS1.2
  Bottom w0.25: U2.8 109.26,30.42 104.77,30.42 104.04,29.69 v1(104.04,25.76)
BAT: length 78.1
  Top w0.5: BT1.2 138,86.25 139.25,87.5 v2(153.5,87.5)
  Bottom w0.25: 162.82,46 U3.3
  Bottom w0.5: SW4.2 138,93 BT1.2 ; C4.1 162.14,42.31 U3.3 163.5,46 164.5,47 164.5,49.5 C25.1 155.75,58.25 155.75,60 153.5,62.25 v2(153.5,87.5)
BLUE: length 31.5
  Bottom w0.25: R10.1 R11.1 R12.1 118.42,74.99 R1.1 R2.1 118.31,79 115.57,81.73 115.57,87.11 J1.3
BLUE-A: length 42.6
  Top w0.25: R2.2 107.24,79 106.32,78.08 106.32,77.99 101.76,73.43 101.22,73.43 100.66,72.86 100.66,72.5 96.44,68.29 94.41,68.29 94.23,68.46 92.04,68.46 91.24,67.66 86.93,67.66 v1(86.55,67.29)
  Bottom w0.25: v1(86.55,67.29) 86.45,67.19 86.45,61.02 81.18,55.75 U1.82
BLUE-B: length 40.5
  Top w0.25: v1(87.57,66.99) 87.79,67.21 92.73,67.21 93.53,68.01 94.05,68.01 94.22,67.84 96.93,67.84 99.92,70.82 101.14,70.82 105.32,75 R1.2
  Bottom w0.25: v1(87.57,66.99) 86.9,66.33 86.9,60.79 81.36,55.25 U1.81
BLUE-C: length 47
  Top w0.25: v1(95.01,47.95) 95.36,48.3 114.53,48.3 v1(114.72,48.11)
  Bottom w0.25: v1(114.72,48.11) 114.72,63.41 108.26,69.87 R12.2 ; U1.45 94.75,48.2 v1(95.01,47.95)
BLUE-D: length 33
  Top w0.25: v1(92.54,64.34) 98.14,64.34 98.48,64.68 101.23,64.68 103.66,67.1 107.03,67.1 107.13,67 R11.2
  Bottom w0.25: v1(92.54,64.34) 92.54,56.94 95.25,54.23 U1.44
BLUE-E: length 31.9
  Top w0.25: v1(96.05,47.22) v1(108.15,47.22)
  Bottom w0.25: R10.2 108.26,61.87 110.3,59.83 110.3,53.24 108.15,51.09 v1(108.15,47.22) ; U1.43 95.75,47.52 v1(96.05,47.22)
BUTTON-A: length 101.8
  Top w0.25: SW8.1 162.77,77.25 154.95,69.42 126.59,69.42 118.59,61.42 101.01,61.42 100.09,62.34 91.13,62.34 v1(91.06,62.41)
  Top w0.5: SW8.1 SW8.1
  Bottom w0.25: v1(91.06,62.41) 91.06,59.08 87.52,55.54 87.52,50.56 87.75,50.33 U1.59
BUTTON-B: length 93.2
  Top w0.25: SW9.1 SW9.1 149.33,61.83 133.95,61.83 133.76,62.01 133.16,62.01 130.13,58.98 v1(123.27,58.98) ; v1(87.25,47.47) 87.42,47.31 95.25,47.31 95.79,47.85 109.24,47.85 111.2,45.89 114.9,45.89 116.69,47.69 v1(119.56,47.69)
  Bottom w0.25: v1(119.56,47.69) 120.24,48.36 120.24,52.13 123.27,55.15 v1(123.27,58.98) ; U1.60 v1(87.25,47.47)
BUTTON-DOWN: length 86.1
  Top w0.25: SW5.1 34.58,57.92 70.44,57.92 71.2,57.16 76.07,57.16 76.27,57.36 78.96,57.36 80.8,55.52 83.31,55.52 85.64,53.19 v1(90.64,53.19)
  Top w0.5: SW5.1 SW5.1
  Bottom w0.25: v1(90.64,53.19) 91.38,53.19 93.25,51.32 U1.48
BUTTON-LEFT: length 98.1
  Top w0.25: v1(92.27,51.41) 91.57,52.11 85.47,52.11 82.51,55.07 77.18,55.07 76.64,55.61 70.39,55.61 68.66,53.87 47.33,53.87 47.18,53.72 43.13,53.72 v1(39.78,57.07)
  Top w0.5: SW6.1 SW6.1
  Bottom w0.25: SW6.1 17.28,77.25 32.53,62 34.85,62 v1(39.78,57.07) ; v1(92.27,51.41) 92.75,50.93 U1.49
BUTTON-RIGHT: length 81
  Top w0.25: v1(46.18,64.19) 46.18,63.82 48.58,61.43 49.23,61.43 49.41,61.61 60.23,61.61 60.94,60.89 80.57,60.89 86.22,55.25 v1(88.15,55.25)
  Top w0.5: SW7.1 SW7.1
  Bottom w0.25: v1(88.15,55.25) 88.15,54.64 92.25,50.54 U1.50 ; SW7.1 41.04,67.46 41.04,66.54 41.66,65.92 44.45,65.92 v1(46.18,64.19)
BUTTON-SELECT: length 34.4
  Top w0.5: SW2.1 SW2.1
  Bottom w0.25: U1.69 82.75,47.38 80.75,45.38 SW2.1
BUTTON-SHOULDER-LEFT: length 79.3
  Top w0.25: SW14.1 27.03,83.74 64.86,83.74 70.82,77.78 v1(79.04,77.78)
  Bottom w0.25: U1.112 82.75,69.67 80.97,69.67 79.04,71.6 v1(79.04,77.78)
BUTTON-SHOULDER-RIGHT: length 92.4
  Bottom w0.25: U1.113 83.25,71.67 81.9,73.02 81.9,77.34 84.45,79.89 91.85,79.89 93.8,81.85 93.8,82.53 95.32,84.04 96.59,84.04 105.14,92.59 121.81,92.59 122.65,91.74 128.37,91.74 131.81,95.18 155.58,95.18 SW16.1
BUTTON-START: length 51.8
  Top w0.25: v1(78.83,20.92) 92.06,20.92 93.38,22.25
  Top w0.5: SW1.1 SW1.1
  Bottom w0.25: v1(78.83,20.92) 78.33,21.43 78.33,30.74 79.5,31.91 79.5,44.92 82.25,47.67 U1.70
BUTTON-UP: length 96.9
  Top w0.25: v1(92.64,53.35) 92.18,53.81 88.88,53.81 88.78,53.72 85.74,53.72 83.49,55.97 80.99,55.97 79.14,57.82 75.77,57.82 75.57,57.61 71.5,57.61 70.74,58.37 46.25,58.37 v1(46,58.62)
  Top w0.5: SW3.1 SW3.1
  Bottom w0.25: U1.47 93.75,52.24 v1(92.64,53.35) ; v1(46,58.62) 46,60.09 44.47,61.63 43.11,61.63 32.65,72.09 32.65,73.4 23.25,82.8 SW3.1
BUTTON-X: length 140.9
  Top w0.25: v1(74.69,63.95) 74.75,64.01 83.45,64.01 83.68,63.78 83.76,63.78 84.55,62.99 v1(87.61,62.99) ; 159.83,85.25 156.82,88.26 v1(98,88.26)
  Top w0.5: SW10.1 SW10.1
  Bottom w0.25: v1(87.61,62.99) 87.61,56.99 86.75,56.13 U1.61 ; v1(98,88.26) 98,87.89 95.73,85.62 93.09,85.62 92.22,84.75 83.33,84.75 81.03,82.45 81.03,81.74 70.92,71.63 70.92,67.59 74.56,63.95 v1(74.69,63.95)
BUTTON-Y: length 95.7
  Top w0.25: v1(86.25,46.13) 101.29,46.13 102.44,44.98 115.99,44.98 116.22,45.21 133.22,45.21 v1(139.62,51.61)
  Top w0.5: SW11.1 SW11.1
  Bottom w0.25: U1.62 v1(86.25,46.13) ; v1(139.62,51.61) 139.62,55.51 147.41,63.3 147.41,75.91 SW11.1
CLKI: length 24.9
  Top w0.25: Y1.1 63,41.62 65.13,39.49 R9.1 70.51,41 C2.1 77.93,46.42 80.06,46.42 v1(81.34,47.71)
  Bottom w0.25: v1(81.34,47.71) 81.75,48.12 U1.71
